# Altium PCB PCB2.PcbDoc (part 1 of 3) (continued)
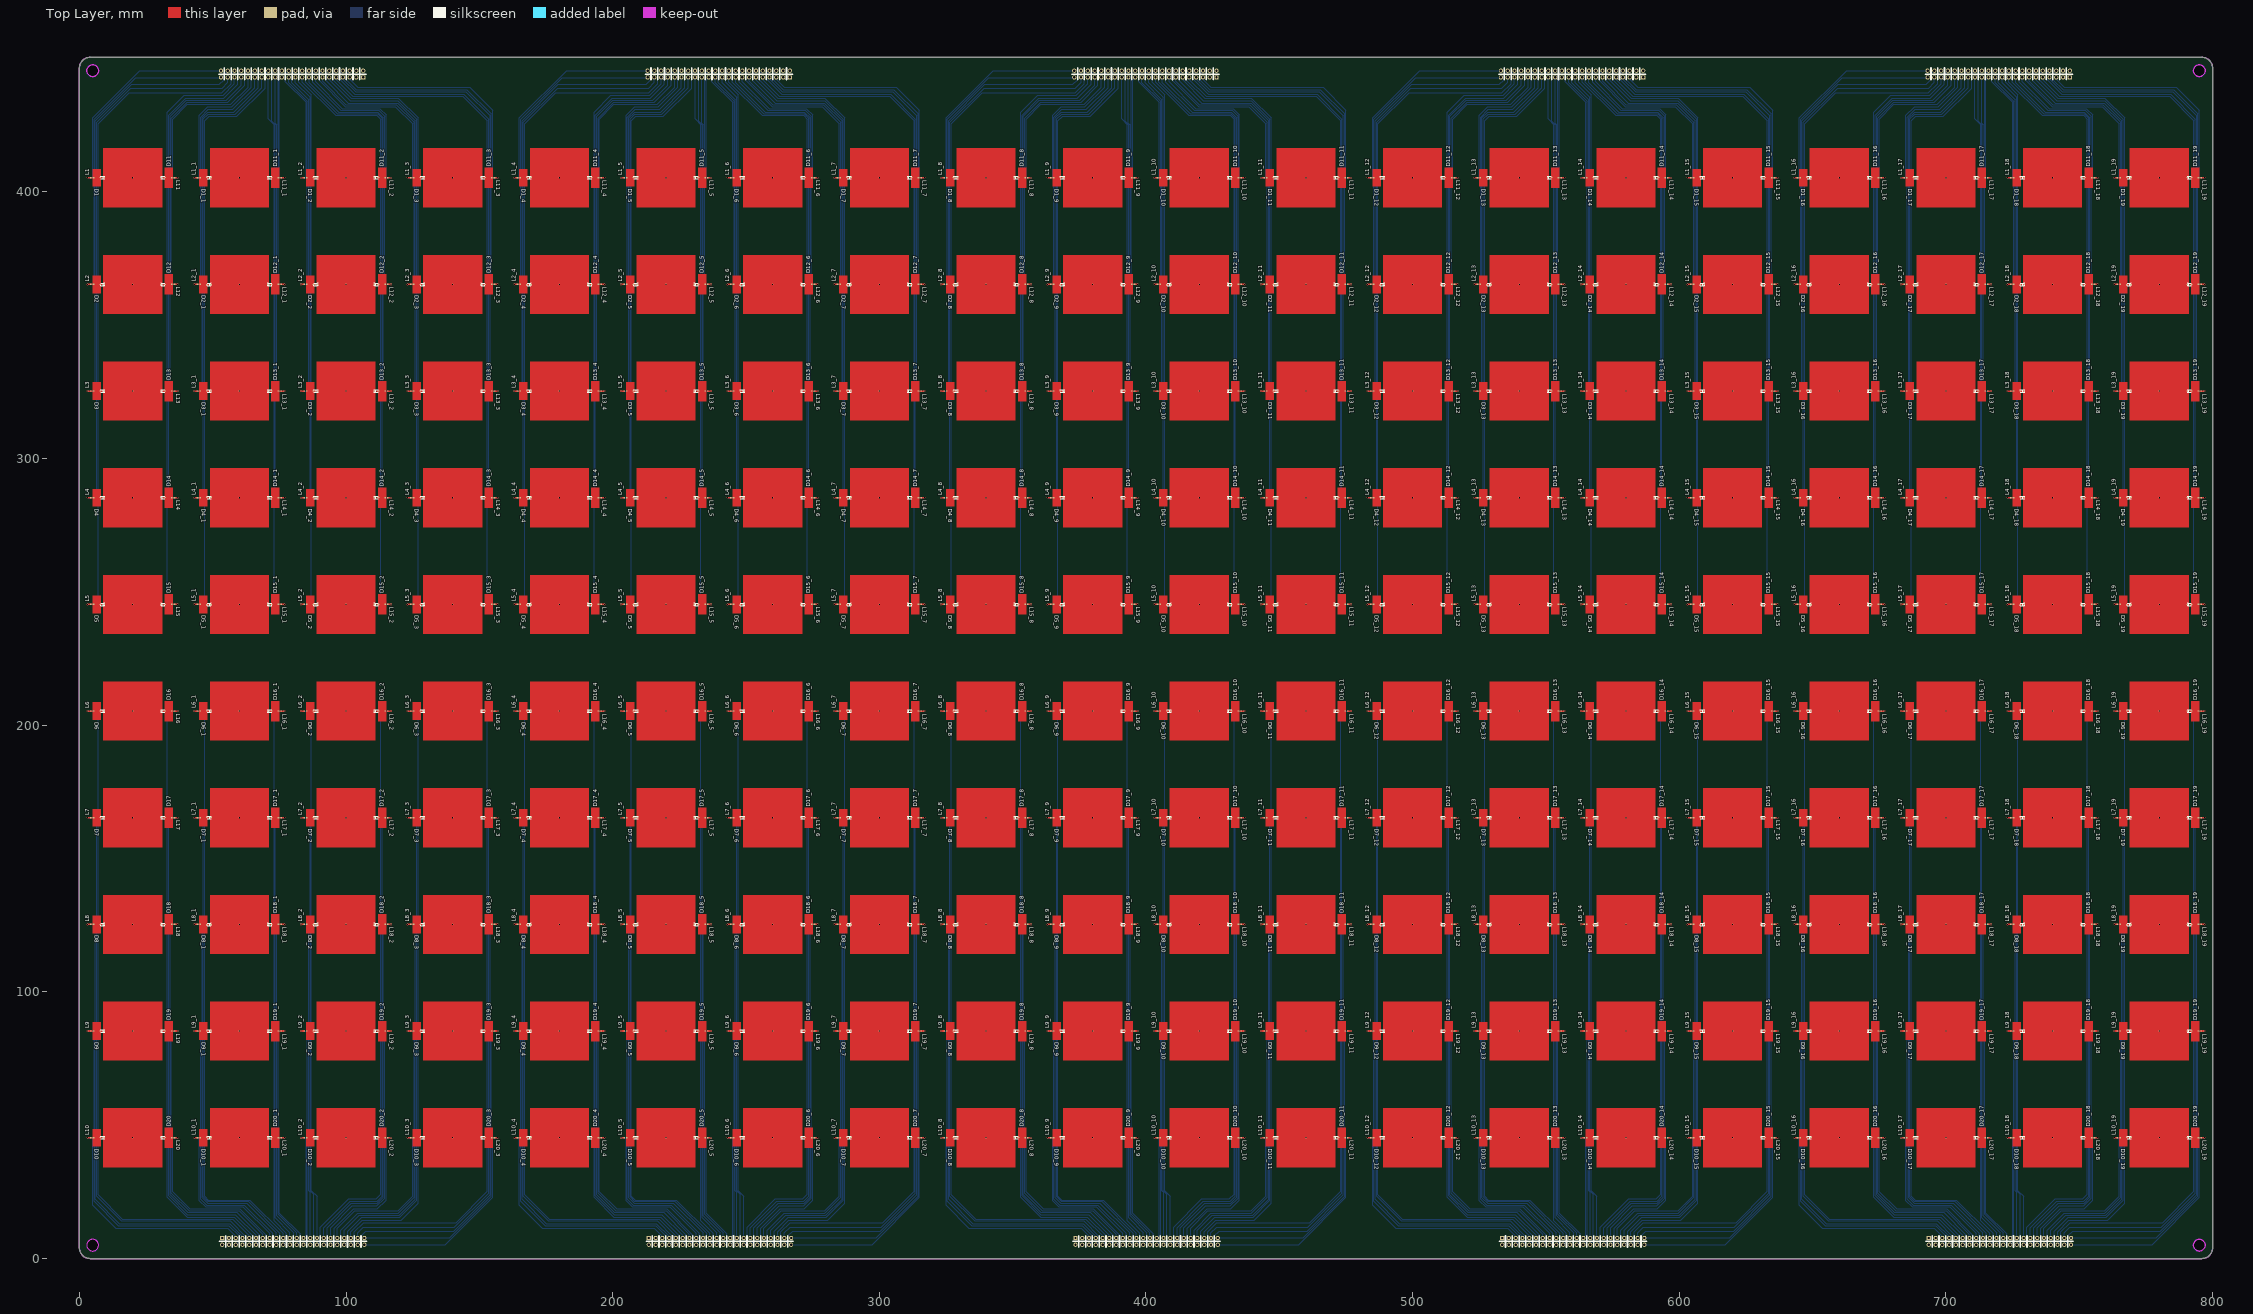
[diagram p0: Top Layer view]
## Components (designator, comment, footprint, x,y, rotation, side; value= is the part's Value field where it differs from the comment) (continued)
D10_9 "Comment" SC-79_L1.2-W0.8-LS1.6-RD 368.611,45.307 r180 top
D10_10 "Comment" SC-79_L1.2-W0.8-LS1.6-RD 408.611,45.307 r180 top
D10_11 "Comment" SC-79_L1.2-W0.8-LS1.6-RD 448.611,45.307 r180 top
D10_12 "Comment" SC-79_L1.2-W0.8-LS1.6-RD 488.611,45.307 r180 top
D10_13 "Comment" SC-79_L1.2-W0.8-LS1.6-RD 528.611,45.307 r180 top
D10_14 "Comment" SC-79_L1.2-W0.8-LS1.6-RD 568.611,45.307 r180 top
D10_15 "Comment" SC-79_L1.2-W0.8-LS1.6-RD 608.611,45.307 r180 top
D10_16 "Comment" SC-79_L1.2-W0.8-LS1.6-RD 648.611,45.307 r180 top
D10_17 "Comment" SC-79_L1.2-W0.8-LS1.6-RD 688.611,45.307 r180 top
D10_18 "Comment" SC-79_L1.2-W0.8-LS1.6-RD 728.611,45.307 r180 top
D10_19 "Comment" SC-79_L1.2-W0.8-LS1.6-RD 768.611,45.307 r180 top
D11 "Comment" SC-79_L1.2-W0.8-LS1.6-RD 31.389,405.308 r0 top
D11_1 "Comment" SC-79_L1.2-W0.8-LS1.6-RD 71.389,405.308 r0 top
D11_2 "Comment" SC-79_L1.2-W0.8-LS1.6-RD 111.389,405.308 r0 top
D11_3 "Comment" SC-79_L1.2-W0.8-LS1.6-RD 151.389,405.308 r0 top
D11_4 "Comment" SC-79_L1.2-W0.8-LS1.6-RD 191.389,405.308 r0 top
D11_5 "Comment" SC-79_L1.2-W0.8-LS1.6-RD 231.389,405.308 r0 top
D11_6 "Comment" SC-79_L1.2-W0.8-LS1.6-RD 271.389,405.308 r0 top
D11_7 "Comment" SC-79_L1.2-W0.8-LS1.6-RD 311.389,405.308 r0 top
D11_8 "Comment" SC-79_L1.2-W0.8-LS1.6-RD 351.389,405.308 r0 top
D11_9 "Comment" SC-79_L1.2-W0.8-LS1.6-RD 391.389,405.308 r0 top
D11_10 "Comment" SC-79_L1.2-W0.8-LS1.6-RD 431.389,405.308 r0 top
D11_11 "Comment" SC-79_L1.2-W0.8-LS1.6-RD 471.389,405.308 r0 top
D11_12 "Comment" SC-79_L1.2-W0.8-LS1.6-RD 511.389,405.308 r0 top
D11_13 "Comment" SC-79_L1.2-W0.8-LS1.6-RD 551.389,405.308 r0 top
D11_14 "Comment" SC-79_L1.2-W0.8-LS1.6-RD 591.389,405.308 r0 top
D11_15 "Comment" SC-79_L1.2-W0.8-LS1.6-RD 631.389,405.308 r0 top
D11_16 "Comment" SC-79_L1.2-W0.8-LS1.6-RD 671.389,405.308 r0 top
D11_17 "Comment" SC-79_L1.2-W0.8-LS1.6-RD 711.389,405.308 r0 top
D11_18 "Comment" SC-79_L1.2-W0.8-LS1.6-RD 751.389,405.308 r0 top
D11_19 "Comment" SC-79_L1.2-W0.8-LS1.6-RD 791.389,405.308 r0 top
D12 "Comment" SC-79_L1.2-W0.8-LS1.6-RD 31.389,365.308 r0 top
D12_1 "Comment" SC-79_L1.2-W0.8-LS1.6-RD 71.389,365.308 r0 top
D12_2 "Comment" SC-79_L1.2-W0.8-LS1.6-RD 111.389,365.308 r0 top
D12_3 "Comment" SC-79_L1.2-W0.8-LS1.6-RD 151.389,365.308 r0 top
D12_4 "Comment" SC-79_L1.2-W0.8-LS1.6-RD 191.389,365.308 r0 top
D12_5 "Comment" SC-79_L1.2-W0.8-LS1.6-RD 231.389,365.308 r0 top
D12_6 "Comment" SC-79_L1.2-W0.8-LS1.6-RD 271.389,365.308 r0 top
D12_7 "Comment" SC-79_L1.2-W0.8-LS1.6-RD 311.389,365.308 r0 top
D12_8 "Comment" SC-79_L1.2-W0.8-LS1.6-RD 351.389,365.308 r0 top
D12_9 "Comment" SC-79_L1.2-W0.8-LS1.6-RD 391.389,365.308 r0 top
D12_10 "Comment" SC-79_L1.2-W0.8-LS1.6-RD 431.389,365.308 r0 top
D12_11 "Comment" SC-79_L1.2-W0.8-LS1.6-RD 471.389,365.308 r0 top
D12_12 "Comment" SC-79_L1.2-W0.8-LS1.6-RD 511.389,365.308 r0 top
D12_13 "Comment" SC-79_L1.2-W0.8-LS1.6-RD 551.389,365.308 r0 top
D12_14 "Comment" SC-79_L1.2-W0.8-LS1.6-RD 591.389,365.308 r0 top
D12_15 "Comment" SC-79_L1.2-W0.8-LS1.6-RD 631.389,365.308 r0 top
D12_16 "Comment" SC-79_L1.2-W0.8-LS1.6-RD 671.389,365.308 r0 top
D12_17 "Comment" SC-79_L1.2-W0.8-LS1.6-RD 711.389,365.308 r0 top
D12_18 "Comment" SC-79_L1.2-W0.8-LS1.6-RD 751.389,365.308 r0 top
D12_19 "Comment" SC-79_L1.2-W0.8-LS1.6-RD 791.389,365.308 r0 top
D13 "Comment" SC-79_L1.2-W0.8-LS1.6-RD 31.389,325.308 r0 top
D13_1 "Comment" SC-79_L1.2-W0.8-LS1.6-RD 71.389,325.308 r0 top
D13_2 "Comment" SC-79_L1.2-W0.8-LS1.6-RD 111.389,325.308 r0 top
D13_3 "Comment" SC-79_L1.2-W0.8-LS1.6-RD 151.389,325.308 r0 top
D13_4 "Comment" SC-79_L1.2-W0.8-LS1.6-RD 191.389,325.308 r0 top
D13_5 "Comment" SC-79_L1.2-W0.8-LS1.6-RD 231.389,325.308 r0 top
D13_6 "Comment" SC-79_L1.2-W0.8-LS1.6-RD 271.389,325.308 r0 top
D13_7 "Comment" SC-79_L1.2-W0.8-LS1.6-RD 311.389,325.308 r0 top
D13_8 "Comment" SC-79_L1.2-W0.8-LS1.6-RD 351.389,325.308 r0 top
D13_9 "Comment" SC-79_L1.2-W0.8-LS1.6-RD 391.389,325.308 r0 top
D13_10 "Comment" SC-79_L1.2-W0.8-LS1.6-RD 431.389,325.308 r0 top
D13_11 "Comment" SC-79_L1.2-W0.8-LS1.6-RD 471.389,325.308 r0 top
D13_12 "Comment" SC-79_L1.2-W0.8-LS1.6-RD 511.389,325.308 r0 top
D13_13 "Comment" SC-79_L1.2-W0.8-LS1.6-RD 551.389,325.308 r0 top
D13_14 "Comment" SC-79_L1.2-W0.8-LS1.6-RD 591.389,325.308 r0 top
D13_15 "Comment" SC-79_L1.2-W0.8-LS1.6-RD 631.389,325.308 r0 top
D13_16 "Comment" SC-79_L1.2-W0.8-LS1.6-RD 671.389,325.308 r0 top
D13_17 "Comment" SC-79_L1.2-W0.8-LS1.6-RD 711.389,325.308 r0 top
D13_18 "Comment" SC-79_L1.2-W0.8-LS1.6-RD 751.389,325.308 r0 top
D13_19 "Comment" SC-79_L1.2-W0.8-LS1.6-RD 791.389,325.308 r0 top
D14 "Comment" SC-79_L1.2-W0.8-LS1.6-RD 31.389,285.308 r0 top
D14_1 "Comment" SC-79_L1.2-W0.8-LS1.6-RD 71.389,285.308 r0 top
D14_2 "Comment" SC-79_L1.2-W0.8-LS1.6-RD 111.389,285.308 r0 top
D14_3 "Comment" SC-79_L1.2-W0.8-LS1.6-RD 151.389,285.308 r0 top
D14_4 "Comment" SC-79_L1.2-W0.8-LS1.6-RD 191.389,285.308 r0 top
D14_5 "Comment" SC-79_L1.2-W0.8-LS1.6-RD 231.389,285.308 r0 top
D14_6 "Comment" SC-79_L1.2-W0.8-LS1.6-RD 271.389,285.308 r0 top
D14_7 "Comment" SC-79_L1.2-W0.8-LS1.6-RD 311.389,285.308 r0 top
D14_8 "Comment" SC-79_L1.2-W0.8-LS1.6-RD 351.389,285.308 r0 top
D14_9 "Comment" SC-79_L1.2-W0.8-LS1.6-RD 391.389,285.308 r0 top
D14_10 "Comment" SC-79_L1.2-W0.8-LS1.6-RD 431.389,285.308 r0 top
D14_11 "Comment" SC-79_L1.2-W0.8-LS1.6-RD 471.389,285.308 r0 top
D14_12 "Comment" SC-79_L1.2-W0.8-LS1.6-RD 511.389,285.308 r0 top
D14_13 "Comment" SC-79_L1.2-W0.8-LS1.6-RD 551.389,285.308 r0 top
D14_14 "Comment" SC-79_L1.2-W0.8-LS1.6-RD 591.389,285.308 r0 top
D14_15 "Comment" SC-79_L1.2-W0.8-LS1.6-RD 631.389,285.308 r0 top
D14_16 "Comment" SC-79_L1.2-W0.8-LS1.6-RD 671.389,285.308 r0 top
D14_17 "Comment" SC-79_L1.2-W0.8-LS1.6-RD 711.389,285.308 r0 top
D14_18 "Comment" SC-79_L1.2-W0.8-LS1.6-RD 751.389,285.308 r0 top
D14_19 "Comment" SC-79_L1.2-W0.8-LS1.6-RD 791.389,285.308 r0 top
D15 "Comment" SC-79_L1.2-W0.8-LS1.6-RD 31.389,245.308 r0 top
D15_1 "Comment" SC-79_L1.2-W0.8-LS1.6-RD 71.389,245.308 r0 top
D15_2 "Comment" SC-79_L1.2-W0.8-LS1.6-RD 111.389,245.308 r0 top
D15_3 "Comment" SC-79_L1.2-W0.8-LS1.6-RD 151.389,245.308 r0 top
D15_4 "Comment" SC-79_L1.2-W0.8-LS1.6-RD 191.389,245.308 r0 top
D15_5 "Comment" SC-79_L1.2-W0.8-LS1.6-RD 231.389,245.308 r0 top
D15_6 "Comment" SC-79_L1.2-W0.8-LS1.6-RD 271.389,245.308 r0 top
D15_7 "Comment" SC-79_L1.2-W0.8-LS1.6-RD 311.389,245.308 r0 top
D15_8 "Comment" SC-79_L1.2-W0.8-LS1.6-RD 351.389,245.308 r0 top
D15_9 "Comment" SC-79_L1.2-W0.8-LS1.6-RD 391.389,245.308 r0 top
D15_10 "Comment" SC-79_L1.2-W0.8-LS1.6-RD 431.389,245.308 r0 top
D15_11 "Comment" SC-79_L1.2-W0.8-LS1.6-RD 471.389,245.308 r0 top
D15_12 "Comment" SC-79_L1.2-W0.8-LS1.6-RD 511.389,245.308 r0 top
D15_13 "Comment" SC-79_L1.2-W0.8-LS1.6-RD 551.389,245.308 r0 top
D15_14 "Comment" SC-79_L1.2-W0.8-LS1.6-RD 591.389,245.308 r0 top
D15_15 "Comment" SC-79_L1.2-W0.8-LS1.6-RD 631.389,245.308 r0 top
D15_16 "Comment" SC-79_L1.2-W0.8-LS1.6-RD 671.389,245.308 r0 top
D15_17 "Comment" SC-79_L1.2-W0.8-LS1.6-RD 711.389,245.308 r0 top
D15_18 "Comment" SC-79_L1.2-W0.8-LS1.6-RD 751.389,245.308 r0 top
D15_19 "Comment" SC-79_L1.2-W0.8-LS1.6-RD 791.389,245.308 r0 top
D16 "Comment" SC-79_L1.2-W0.8-LS1.6-RD 31.389,205.308 r0 top
D16_1 "Comment" SC-79_L1.2-W0.8-LS1.6-RD 71.389,205.308 r0 top
D16_2 "Comment" SC-79_L1.2-W0.8-LS1.6-RD 111.389,205.308 r0 top
D16_3 "Comment" SC-79_L1.2-W0.8-LS1.6-RD 151.389,205.308 r0 top
D16_4 "Comment" SC-79_L1.2-W0.8-LS1.6-RD 191.389,205.308 r0 top
D16_5 "Comment" SC-79_L1.2-W0.8-LS1.6-RD 231.389,205.308 r0 top
D16_6 "Comment" SC-79_L1.2-W0.8-LS1.6-RD 271.389,205.308 r0 top
D16_7 "Comment" SC-79_L1.2-W0.8-LS1.6-RD 311.389,205.308 r0 top
D16_8 "Comment" SC-79_L1.2-W0.8-LS1.6-RD 351.389,205.308 r0 top
D16_9 "Comment" SC-79_L1.2-W0.8-LS1.6-RD 391.389,205.308 r0 top
D16_10 "Comment" SC-79_L1.2-W0.8-LS1.6-RD 431.389,205.308 r0 top
D16_11 "Comment" SC-79_L1.2-W0.8-LS1.6-RD 471.389,205.308 r0 top
D16_12 "Comment" SC-79_L1.2-W0.8-LS1.6-RD 511.389,205.308 r0 top
D16_13 "Comment" SC-79_L1.2-W0.8-LS1.6-RD 551.389,205.308 r0 top
D16_14 "Comment" SC-79_L1.2-W0.8-LS1.6-RD 591.389,205.308 r0 top
D16_15 "Comment" SC-79_L1.2-W0.8-LS1.6-RD 631.389,205.308 r0 top
D16_16 "Comment" SC-79_L1.2-W0.8-LS1.6-RD 671.389,205.308 r0 top
D16_17 "Comment" SC-79_L1.2-W0.8-LS1.6-RD 711.389,205.308 r0 top
D16_18 "Comment" SC-79_L1.2-W0.8-LS1.6-RD 751.389,205.308 r0 top
D16_19 "Comment" SC-79_L1.2-W0.8-LS1.6-RD 791.389,205.308 r0 top
D17 "Comment" SC-79_L1.2-W0.8-LS1.6-RD 31.389,165.308 r0 top
D17_1 "Comment" SC-79_L1.2-W0.8-LS1.6-RD 71.389,165.308 r0 top
D17_2 "Comment" SC-79_L1.2-W0.8-LS1.6-RD 111.389,165.308 r0 top
D17_3 "Comment" SC-79_L1.2-W0.8-LS1.6-RD 151.389,165.308 r0 top
D17_4 "Comment" SC-79_L1.2-W0.8-LS1.6-RD 191.389,165.308 r0 top
D17_5 "Comment" SC-79_L1.2-W0.8-LS1.6-RD 231.389,165.308 r0 top
D17_6 "Comment" SC-79_L1.2-W0.8-LS1.6-RD 271.389,165.308 r0 top
D17_7 "Comment" SC-79_L1.2-W0.8-LS1.6-RD 311.389,165.308 r0 top
D17_8 "Comment" SC-79_L1.2-W0.8-LS1.6-RD 351.389,165.308 r0 top
D17_9 "Comment" SC-79_L1.2-W0.8-LS1.6-RD 391.389,165.308 r0 top
D17_10 "Comment" SC-79_L1.2-W0.8-LS1.6-RD 431.389,165.308 r0 top
D17_11 "Comment" SC-79_L1.2-W0.8-LS1.6-RD 471.389,165.308 r0 top
D17_12 "Comment" SC-79_L1.2-W0.8-LS1.6-RD 511.389,165.308 r0 top
D17_13 "Comment" SC-79_L1.2-W0.8-LS1.6-RD 551.389,165.308 r0 top
D17_14 "Comment" SC-79_L1.2-W0.8-LS1.6-RD 591.389,165.308 r0 top
D17_15 "Comment" SC-79_L1.2-W0.8-LS1.6-RD 631.389,165.308 r0 top
D17_16 "Comment" SC-79_L1.2-W0.8-LS1.6-RD 671.389,165.308 r0 top
D17_17 "Comment" SC-79_L1.2-W0.8-LS1.6-RD 711.389,165.308 r0 top
D17_18 "Comment" SC-79_L1.2-W0.8-LS1.6-RD 751.389,165.308 r0 top
D17_19 "Comment" SC-79_L1.2-W0.8-LS1.6-RD 791.389,165.308 r0 top
D18 "Comment" SC-79_L1.2-W0.8-LS1.6-RD 31.389,125.308 r0 top
D18_1 "Comment" SC-79_L1.2-W0.8-LS1.6-RD 71.389,125.308 r0 top
D18_2 "Comment" SC-79_L1.2-W0.8-LS1.6-RD 111.389,125.308 r0 top
D18_3 "Comment" SC-79_L1.2-W0.8-LS1.6-RD 151.389,125.308 r0 top
D18_4 "Comment" SC-79_L1.2-W0.8-LS1.6-RD 191.389,125.308 r0 top
D18_5 "Comment" SC-79_L1.2-W0.8-LS1.6-RD 231.389,125.308 r0 top
D18_6 "Comment" SC-79_L1.2-W0.8-LS1.6-RD 271.389,125.308 r0 top
D18_7 "Comment" SC-79_L1.2-W0.8-LS1.6-RD 311.389,125.308 r0 top
D18_8 "Comment" SC-79_L1.2-W0.8-LS1.6-RD 351.389,125.308 r0 top
D18_9 "Comment" SC-79_L1.2-W0.8-LS1.6-RD 391.389,125.308 r0 top
D18_10 "Comment" SC-79_L1.2-W0.8-LS1.6-RD 431.389,125.308 r0 top
D18_11 "Comment" SC-79_L1.2-W0.8-LS1.6-RD 471.389,125.308 r0 top
D18_12 "Comment" SC-79_L1.2-W0.8-LS1.6-RD 511.389,125.308 r0 top
D18_13 "Comment" SC-79_L1.2-W0.8-LS1.6-RD 551.389,125.308 r0 top
D18_14 "Comment" SC-79_L1.2-W0.8-LS1.6-RD 591.389,125.308 r0 top
D18_15 "Comment" SC-79_L1.2-W0.8-LS1.6-RD 631.389,125.308 r0 top
D18_16 "Comment" SC-79_L1.2-W0.8-LS1.6-RD 671.389,125.308 r0 top
D18_17 "Comment" SC-79_L1.2-W0.8-LS1.6-RD 711.389,125.308 r0 top
D18_18 "Comment" SC-79_L1.2-W0.8-LS1.6-RD 751.389,125.308 r0 top
D18_19 "Comment" SC-79_L1.2-W0.8-LS1.6-RD 791.389,125.308 r0 top
D19 "Comment" SC-79_L1.2-W0.8-LS1.6-RD 31.389,85.308 r0 top
D19_1 "Comment" SC-79_L1.2-W0.8-LS1.6-RD 71.389,85.308 r0 top
D19_2 "Comment" SC-79_L1.2-W0.8-LS1.6-RD 111.389,85.308 r0 top
D19_3 "Comment" SC-79_L1.2-W0.8-LS1.6-RD 151.389,85.308 r0 top
D19_4 "Comment" SC-79_L1.2-W0.8-LS1.6-RD 191.389,85.308 r0 top
D19_5 "Comment" SC-79_L1.2-W0.8-LS1.6-RD 231.389,85.308 r0 top
D19_6 "Comment" SC-79_L1.2-W0.8-LS1.6-RD 271.389,85.308 r0 top
D19_7 "Comment" SC-79_L1.2-W0.8-LS1.6-RD 311.389,85.308 r0 top
D19_8 "Comment" SC-79_L1.2-W0.8-LS1.6-RD 351.389,85.308 r0 top
D19_9 "Comment" SC-79_L1.2-W0.8-LS1.6-RD 391.389,85.308 r0 top
D19_10 "Comment" SC-79_L1.2-W0.8-LS1.6-RD 431.389,85.308 r0 top
D19_11 "Comment" SC-79_L1.2-W0.8-LS1.6-RD 471.389,85.308 r0 top
D19_12 "Comment" SC-79_L1.2-W0.8-LS1.6-RD 511.389,85.308 r0 top
D19_13 "Comment" SC-79_L1.2-W0.8-LS1.6-RD 551.389,85.308 r0 top
D19_14 "Comment" SC-79_L1.2-W0.8-LS1.6-RD 591.389,85.308 r0 top
D19_15 "Comment" SC-79_L1.2-W0.8-LS1.6-RD 631.389,85.308 r0 top
D19_16 "Comment" SC-79_L1.2-W0.8-LS1.6-RD 671.389,85.308 r0 top
D19_17 "Comment" SC-79_L1.2-W0.8-LS1.6-RD 711.389,85.308 r0 top
D19_18 "Comment" SC-79_L1.2-W0.8-LS1.6-RD 751.389,85.308 r0 top
D19_19 "Comment" SC-79_L1.2-W0.8-LS1.6-RD 791.389,85.308 r0 top
D20 "Comment" SC-79_L1.2-W0.8-LS1.6-RD 31.389,45.308 r0 top
D20_1 "Comment" SC-79_L1.2-W0.8-LS1.6-RD 71.389,45.308 r0 top
D20_2 "Comment" SC-79_L1.2-W0.8-LS1.6-RD 111.389,45.308 r0 top
D20_3 "Comment" SC-79_L1.2-W0.8-LS1.6-RD 151.389,45.308 r0 top
D20_4 "Comment" SC-79_L1.2-W0.8-LS1.6-RD 191.389,45.308 r0 top
D20_5 "Comment" SC-79_L1.2-W0.8-LS1.6-RD 231.389,45.308 r0 top
D20_6 "Comment" SC-79_L1.2-W0.8-LS1.6-RD 271.389,45.308 r0 top
D20_7 "Comment" SC-79_L1.2-W0.8-LS1.6-RD 311.389,45.308 r0 top
D20_8 "Comment" SC-79_L1.2-W0.8-LS1.6-RD 351.389,45.308 r0 top
D20_9 "Comment" SC-79_L1.2-W0.8-LS1.6-RD 391.389,45.308 r0 top
D20_10 "Comment" SC-79_L1.2-W0.8-LS1.6-RD 431.389,45.308 r0 top
D20_11 "Comment" SC-79_L1.2-W0.8-LS1.6-RD 471.389,45.308 r0 top
D20_12 "Comment" SC-79_L1.2-W0.8-LS1.6-RD 511.389,45.308 r0 top
D20_13 "Comment" SC-79_L1.2-W0.8-LS1.6-RD 551.389,45.308 r0 top
D20_14 "Comment" SC-79_L1.2-W0.8-LS1.6-RD 591.389,45.308 r0 top
D20_15 "Comment" SC-79_L1.2-W0.8-LS1.6-RD 631.389,45.308 r0 top
D20_16 "Comment" SC-79_L1.2-W0.8-LS1.6-RD 671.389,45.308 r0 top
D20_17 "Comment" SC-79_L1.2-W0.8-LS1.6-RD 711.389,45.308 r0 top
D20_18 "Comment" SC-79_L1.2-W0.8-LS1.6-RD 751.389,45.308 r0 top
D20_19 "Comment" SC-79_L1.2-W0.8-LS1.6-RD 791.389,45.308 r0 top
H1 "Comment" IDC2.54-LI-2x22P 106.44,442.908 r180 bottom
H2 "Comment" IDC2.54-LI-2x22P 266.44,442.908 r180 bottom
H3 "Comment" IDC2.54-LI-2x22P 426.44,442.908 r180 bottom
H4 "Comment" IDC2.54-LI-2x22P 586.44,442.908 r180 bottom
H5 "Comment" IDC2.54-LI-2x22P 746.44,442.908 r180 bottom
H6 "Comment" IDC2.54-LI-2x22P 693.56,7.708 r0 bottom
H7 "Comment" IDC2.54-LI-2x22P 533.56,7.708 r0 bottom
H8 "Comment" IDC2.54-LI-2x22P 373.56,7.708 r0 bottom
H9 "Comment" IDC2.54-LI-2x22P 213.56,7.708 r0 bottom
H10 "Comment" IDC2.54-LI-2x22P 53.56,7.708 r0 bottom
L1 "Comment" 0402 4.801,405.307 r0 top
L1_1 "Comment" 0402 44.801,405.307 r0 top
L1_2 "Comment" 0402 84.801,405.307 r0 top
L1_3 "Comment" 0402 124.801,405.307 r0 top
L1_4 "Comment" 0402 164.801,405.307 r0 top
L1_5 "Comment" 0402 204.801,405.307 r0 top
L1_6 "Comment" 0402 244.801,405.307 r0 top
L1_7 "Comment" 0402 284.801,405.307 r0 top
L1_8 "Comment" 0402 324.801,405.307 r0 top
L1_9 "Comment" 0402 364.801,405.307 r0 top
L1_10 "Comment" 0402 404.801,405.307 r0 top
L1_11 "Comment" 0402 444.801,405.307 r0 top
L1_12 "Comment" 0402 484.801,405.307 r0 top
L1_13 "Comment" 0402 524.801,405.307 r0 top
L1_14 "Comment" 0402 564.801,405.307 r0 top
L1_15 "Comment" 0402 604.801,405.307 r0 top
L1_16 "Comment" 0402 644.801,405.307 r0 top
L1_17 "Comment" 0402 684.801,405.307 r0 top
L1_18 "Comment" 0402 724.801,405.307 r0 top
L1_19 "Comment" 0402 764.801,405.307 r0 top
L2 "Comment" 0402 4.801,365.307 r0 top
L2_1 "Comment" 0402 44.801,365.307 r0 top
L2_2 "Comment" 0402 84.801,365.307 r0 top
L2_3 "Comment" 0402 124.801,365.307 r0 top
L2_4 "Comment" 0402 164.801,365.307 r0 top
L2_5 "Comment" 0402 204.801,365.307 r0 top
L2_6 "Comment" 0402 244.801,365.307 r0 top
L2_7 "Comment" 0402 284.801,365.307 r0 top
L2_8 "Comment" 0402 324.801,365.307 r0 top
L2_9 "Comment" 0402 364.801,365.307 r0 top
L2_10 "Comment" 0402 404.801,365.307 r0 top
L2_11 "Comment" 0402 444.801,365.307 r0 top
L2_12 "Comment" 0402 484.801,365.307 r0 top
L2_13 "Comment" 0402 524.801,365.307 r0 top
L2_14 "Comment" 0402 564.801,365.307 r0 top
L2_15 "Comment" 0402 604.801,365.307 r0 top
L2_16 "Comment" 0402 644.801,365.307 r0 top
L2_17 "Comment" 0402 684.801,365.307 r0 top
L2_18 "Comment" 0402 724.801,365.307 r0 top
L2_19 "Comment" 0402 764.801,365.307 r0 top
L3 "Comment" 0402 4.801,325.307 r0 top
L3_1 "Comment" 0402 44.801,325.307 r0 top
L3_2 "Comment" 0402 84.801,325.307 r0 top
L3_3 "Comment" 0402 124.801,325.307 r0 top
L3_4 "Comment" 0402 164.801,325.307 r0 top
L3_5 "Comment" 0402 204.801,325.307 r0 top
L3_6 "Comment" 0402 244.801,325.307 r0 top
L3_7 "Comment" 0402 284.801,325.307 r0 top
L3_8 "Comment" 0402 324.801,325.307 r0 top
L3_9 "Comment" 0402 364.801,325.307 r0 top
L3_10 "Comment" 0402 404.801,325.307 r0 top
L3_11 "Comment" 0402 444.801,325.307 r0 top
L3_12 "Comment" 0402 484.801,325.307 r0 top
L3_13 "Comment" 0402 524.801,325.307 r0 top
L3_14 "Comment" 0402 564.801,325.307 r0 top
L3_15 "Comment" 0402 604.801,325.307 r0 top
L3_16 "Comment" 0402 644.801,325.307 r0 top
L3_17 "Comment" 0402 684.801,325.307 r0 top
L3_18 "Comment" 0402 724.801,325.307 r0 top
L3_19 "Comment" 0402 764.801,325.307 r0 top
L4 "Comment" 0402 4.801,285.307 r0 top
L4_1 "Comment" 0402 44.801,285.307 r0 top
L4_2 "Comment" 0402 84.801,285.307 r0 top
L4_3 "Comment" 0402 124.801,285.307 r0 top
L4_4 "Comment" 0402 164.801,285.307 r0 top
L4_5 "Comment" 0402 204.801,285.307 r0 top
L4_6 "Comment" 0402 244.801,285.307 r0 top
L4_7 "Comment" 0402 284.801,285.307 r0 top
L4_8 "Comment" 0402 324.801,285.307 r0 top
L4_9 "Comment" 0402 364.801,285.307 r0 top
L4_10 "Comment" 0402 404.801,285.307 r0 top
L4_11 "Comment" 0402 444.801,285.307 r0 top
L4_12 "Comment" 0402 484.801,285.307 r0 top
L4_13 "Comment" 0402 524.801,285.307 r0 top
L4_14 "Comment" 0402 564.801,285.307 r0 top
L4_15 "Comment" 0402 604.801,285.307 r0 top
L4_16 "Comment" 0402 644.801,285.307 r0 top
L4_17 "Comment" 0402 684.801,285.307 r0 top
L4_18 "Comment" 0402 724.801,285.307 r0 top
L4_19 "Comment" 0402 764.801,285.307 r0 top
L5 "Comment" 0402 4.801,245.307 r0 top
L5_1 "Comment" 0402 44.801,245.307 r0 top
L5_2 "Comment" 0402 84.801,245.307 r0 top
L5_3 "Comment" 0402 124.801,245.307 r0 top
L5_4 "Comment" 0402 164.801,245.307 r0 top
L5_5 "Comment" 0402 204.801,245.307 r0 top
L5_6 "Comment" 0402 244.801,245.307 r0 top
L5_7 "Comment" 0402 284.801,245.307 r0 top
L5_8 "Comment" 0402 324.801,245.307 r0 top
L5_9 "Comment" 0402 364.801,245.307 r0 top
L5_10 "Comment" 0402 404.801,245.307 r0 top
L5_11 "Comment" 0402 444.801,245.307 r0 top
L5_12 "Comment" 0402 484.801,245.307 r0 top
L5_13 "Comment" 0402 524.801,245.307 r0 top
L5_14 "Comment" 0402 564.801,245.307 r0 top
L5_15 "Comment" 0402 604.801,245.307 r0 top
L5_16 "Comment" 0402 644.801,245.307 r0 top
L5_17 "Comment" 0402 684.801,245.307 r0 top
L5_18 "Comment" 0402 724.801,245.307 r0 top
L5_19 "Comment" 0402 764.801,245.307 r0 top
L6 "Comment" 0402 4.801,205.307 r0 top
L6_1 "Comment" 0402 44.801,205.307 r0 top
L6_2 "Comment" 0402 84.801,205.307 r0 top
L6_3 "Comment" 0402 124.801,205.307 r0 top
L6_4 "Comment" 0402 164.801,205.307 r0 top
L6_5 "Comment" 0402 204.801,205.307 r0 top
L6_6 "Comment" 0402 244.801,205.307 r0 top
L6_7 "Comment" 0402 284.801,205.307 r0 top
L6_8 "Comment" 0402 324.801,205.307 r0 top
L6_9 "Comment" 0402 364.801,205.307 r0 top
L6_10 "Comment" 0402 404.801,205.307 r0 top
L6_11 "Comment" 0402 444.801,205.307 r0 top
L6_12 "Comment" 0402 484.801,205.307 r0 top
L6_13 "Comment" 0402 524.801,205.307 r0 top
L6_14 "Comment" 0402 564.801,205.307 r0 top
L6_15 "Comment" 0402 604.801,205.307 r0 top
L6_16 "Comment" 0402 644.801,205.307 r0 top
L6_17 "Comment" 0402 684.801,205.307 r0 top
L6_18 "Comment" 0402 724.801,205.307 r0 top
L6_19 "Comment" 0402 764.801,205.307 r0 top
L7 "Comment" 0402 4.801,165.307 r0 top
L7_1 "Comment" 0402 44.801,165.307 r0 top
L7_2 "Comment" 0402 84.801,165.307 r0 top
L7_3 "Comment" 0402 124.801,165.307 r0 top
L7_4 "Comment" 0402 164.801,165.307 r0 top
L7_5 "Comment" 0402 204.801,165.307 r0 top
L7_6 "Comment" 0402 244.801,165.307 r0 top
L7_7 "Comment" 0402 284.801,165.307 r0 top
L7_8 "Comment" 0402 324.801,165.307 r0 top
L7_9 "Comment" 0402 364.801,165.307 r0 top
L7_10 "Comment" 0402 404.801,165.307 r0 top
L7_11 "Comment" 0402 444.801,165.307 r0 top
L7_12 "Comment" 0402 484.801,165.307 r0 top
L7_13 "Comment" 0402 524.801,165.307 r0 top
L7_14 "Comment" 0402 564.801,165.307 r0 top
L7_15 "Comment" 0402 604.801,165.307 r0 top
L7_16 "Comment" 0402 644.801,165.307 r0 top
L7_17 "Comment" 0402 684.801,165.307 r0 top
L7_18 "Comment" 0402 724.801,165.307 r0 top
L7_19 "Comment" 0402 764.801,165.307 r0 top
L8 "Comment" 0402 4.801,125.307 r0 top
L8_1 "Comment" 0402 44.801,125.307 r0 top
L8_2 "Comment" 0402 84.801,125.307 r0 top
L8_3 "Comment" 0402 124.801,125.307 r0 top
L8_4 "Comment" 0402 164.801,125.307 r0 top
L8_5 "Comment" 0402 204.801,125.307 r0 top
L8_6 "Comment" 0402 244.801,125.307 r0 top
L8_7 "Comment" 0402 284.801,125.307 r0 top
L8_8 "Comment" 0402 324.801,125.307 r0 top
L8_9 "Comment" 0402 364.801,125.307 r0 top
L8_10 "Comment" 0402 404.801,125.307 r0 top
L8_11 "Comment" 0402 444.801,125.307 r0 top
L8_12 "Comment" 0402 484.801,125.307 r0 top
L8_13 "Comment" 0402 524.801,125.307 r0 top
L8_14 "Comment" 0402 564.801,125.307 r0 top
L8_15 "Comment" 0402 604.801,125.307 r0 top
L8_16 "Comment" 0402 644.801,125.307 r0 top
L8_17 "Comment" 0402 684.801,125.307 r0 top
L8_18 "Comment" 0402 724.801,125.307 r0 top
L8_19 "Comment" 0402 764.801,125.307 r0 top
L9 "Comment" 0402 4.801,85.307 r0 top
L9_1 "Comment" 0402 44.801,85.307 r0 top
L9_2 "Comment" 0402 84.801,85.307 r0 top
L9_3 "Comment" 0402 124.801,85.307 r0 top
L9_4 "Comment" 0402 164.801,85.307 r0 top
L9_5 "Comment" 0402 204.801,85.307 r0 top
L9_6 "Comment" 0402 244.801,85.307 r0 top
L9_7 "Comment" 0402 284.801,85.307 r0 top
L9_8 "Comment" 0402 324.801,85.307 r0 top
L9_9 "Comment" 0402 364.801,85.307 r0 top
L9_10 "Comment" 0402 404.801,85.307 r0 top
L9_11 "Comment" 0402 444.801,85.307 r0 top
L9_12 "Comment" 0402 484.801,85.307 r0 top
L9_13 "Comment" 0402 524.801,85.307 r0 top
L9_14 "Comment" 0402 564.801,85.307 r0 top
L9_15 "Comment" 0402 604.801,85.307 r0 top
L9_16 "Comment" 0402 644.801,85.307 r0 top
L9_17 "Comment" 0402 684.801,85.307 r0 top
L9_18 "Comment" 0402 724.801,85.307 r0 top
L9_19 "Comment" 0402 764.801,85.307 r0 top
L10 "Comment" 0402 4.801,45.307 r0 top
L10_1 "Comment" 0402 44.801,45.307 r0 top
L10_2 "Comment" 0402 84.801,45.307 r0 top
L10_3 "Comment" 0402 124.801,45.307 r0 top
L10_4 "Comment" 0402 164.801,45.307 r0 top
L10_5 "Comment" 0402 204.801,45.307 r0 top
L10_6 "Comment" 0402 244.801,45.307 r0 top
L10_7 "Comment" 0402 284.801,45.307 r0 top
L10_8 "Comment" 0402 324.801,45.307 r0 top
L10_9 "Comment" 0402 364.801,45.307 r0 top
L10_10 "Comment" 0402 404.801,45.307 r0 top
L10_11 "Comment" 0402 444.801,45.307 r0 top
L10_12 "Comment" 0402 484.801,45.307 r0 top
L10_13 "Comment" 0402 524.801,45.307 r0 top
L10_14 "Comment" 0402 564.801,45.307 r0 top
L10_15 "Comment" 0402 604.801,45.307 r0 top
L10_16 "Comment" 0402 644.801,45.307 r0 top
L10_17 "Comment" 0402 684.801,45.307 r0 top
L10_18 "Comment" 0402 724.801,45.307 r0 top
L10_19 "Comment" 0402 764.801,45.307 r0 top
L11 "Comment" 0402 35.199,405.308 r180 top
L11_1 "Comment" 0402 75.199,405.308 r180 top
L11_2 "Comment" 0402 115.199,405.308 r180 top
L11_3 "Comment" 0402 155.199,405.308 r180 top
L11_4 "Comment" 0402 195.199,405.308 r180 top
L11_5 "Comment" 0402 235.199,405.308 r180 top
L11_6 "Comment" 0402 275.199,405.308 r180 top
L11_7 "Comment" 0402 315.199,405.308 r180 top
L11_8 "Comment" 0402 355.199,405.308 r180 top
L11_9 "Comment" 0402 395.199,405.308 r180 top
L11_10 "Comment" 0402 435.199,405.308 r180 top
L11_11 "Comment" 0402 475.199,405.308 r180 top
L11_12 "Comment" 0402 515.199,405.308 r180 top
L11_13 "Comment" 0402 555.199,405.308 r180 top
L11_14 "Comment" 0402 595.199,405.308 r180 top
L11_15 "Comment" 0402 635.199,405.308 r180 top
L11_16 "Comment" 0402 675.199,405.308 r180 top
L11_17 "Comment" 0402 715.199,405.308 r180 top
L11_18 "Comment" 0402 755.199,405.308 r180 top
L11_19 "Comment" 0402 795.199,405.308 r180 top
L12 "Comment" 0402 35.199,365.308 r180 top
L12_1 "Comment" 0402 75.199,365.308 r180 top
L12_2 "Comment" 0402 115.199,365.308 r180 top
L12_3 "Comment" 0402 155.199,365.308 r180 top
L12_4 "Comment" 0402 195.199,365.308 r180 top
L12_5 "Comment" 0402 235.199,365.308 r180 top
L12_6 "Comment" 0402 275.199,365.308 r180 top
L12_7 "Comment" 0402 315.199,365.308 r180 top
L12_8 "Comment" 0402 355.199,365.308 r180 top
L12_9 "Comment" 0402 395.199,365.308 r180 top
L12_10 "Comment" 0402 435.199,365.308 r180 top
L12_11 "Comment" 0402 475.199,365.308 r180 top
L12_12 "Comment" 0402 515.199,365.308 r180 top
L12_13 "Comment" 0402 555.199,365.308 r180 top
L12_14 "Comment" 0402 595.199,365.308 r180 top
L12_15 "Comment" 0402 635.199,365.308 r180 top
L12_16 "Comment" 0402 675.199,365.308 r180 top
L12_17 "Comment" 0402 715.199,365.308 r180 top
L12_18 "Comment" 0402 755.199,365.308 r180 top
L12_19 "Comment" 0402 795.199,365.308 r180 top
L13 "Comment" 0402 35.199,325.308 r180 top
L13_1 "Comment" 0402 75.199,325.308 r180 top
L13_2 "Comment" 0402 115.199,325.308 r180 top
L13_3 "Comment" 0402 155.199,325.308 r180 top
L13_4 "Comment" 0402 195.199,325.308 r180 top
L13_5 "Comment" 0402 235.199,325.308 r180 top
L13_6 "Comment" 0402 275.199,325.308 r180 top
L13_7 "Comment" 0402 315.199,325.308 r180 top
L13_8 "Comment" 0402 355.199,325.308 r180 top
L13_9 "Comment" 0402 395.199,325.308 r180 top
L13_10 "Comment" 0402 435.199,325.308 r180 top
L13_11 "Comment" 0402 475.199,325.308 r180 top
L13_12 "Comment" 0402 515.199,325.308 r180 top
L13_13 "Comment" 0402 555.199,325.308 r180 top
L13_14 "Comment" 0402 595.199,325.308 r180 top
L13_15 "Comment" 0402 635.199,325.308 r180 top
L13_16 "Comment" 0402 675.199,325.308 r180 top
L13_17 "Comment" 0402 715.199,325.308 r180 top
L13_18 "Comment" 0402 755.199,325.308 r180 top
L13_19 "Comment" 0402 795.199,325.308 r180 top
L14 "Comment" 0402 35.199,285.308 r180 top
L14_1 "Comment" 0402 75.199,285.308 r180 top
L14_2 "Comment" 0402 115.199,285.308 r180 top
L14_3 "Comment" 0402 155.199,285.308 r180 top
L14_4 "Comment" 0402 195.199,285.308 r180 top
L14_5 "Comment" 0402 235.199,285.308 r180 top
L14_6 "Comment" 0402 275.199,285.308 r180 top
L14_7 "Comment" 0402 315.199,285.308 r180 top
L14_8 "Comment" 0402 355.199,285.308 r180 top
L14_9 "Comment" 0402 395.199,285.308 r180 top
L14_10 "Comment" 0402 435.199,285.308 r180 top
L14_11 "Comment" 0402 475.199,285.308 r180 top
L14_12 "Comment" 0402 515.199,285.308 r180 top
L14_13 "Comment" 0402 555.199,285.308 r180 top
L14_14 "Comment" 0402 595.199,285.308 r180 top
L14_15 "Comment" 0402 635.199,285.308 r180 top
L14_16 "Comment" 0402 675.199,285.308 r180 top
L14_17 "Comment" 0402 715.199,285.308 r180 top
L14_18 "Comment" 0402 755.199,285.308 r180 top
L14_19 "Comment" 0402 795.199,285.308 r180 top
L15 "Comment" 0402 35.199,245.308 r180 top
L15_1 "Comment" 0402 75.199,245.308 r180 top
L15_2 "Comment" 0402 115.199,245.308 r180 top
L15_3 "Comment" 0402 155.199,245.308 r180 top
L15_4 "Comment" 0402 195.199,245.308 r180 top
L15_5 "Comment" 0402 235.199,245.308 r180 top
L15_6 "Comment" 0402 275.199,245.308 r180 top
L15_7 "Comment" 0402 315.199,245.308 r180 top
L15_8 "Comment" 0402 355.199,245.308 r180 top
L15_9 "Comment" 0402 395.199,245.308 r180 top
L15_10 "Comment" 0402 435.199,245.308 r180 top
L15_11 "Comment" 0402 475.199,245.308 r180 top
L15_12 "Comment" 0402 515.199,245.308 r180 top
L15_13 "Comment" 0402 555.199,245.308 r180 top
L15_14 "Comment" 0402 595.199,245.308 r180 top
L15_15 "Comment" 0402 635.199,245.308 r180 top
L15_16 "Comment" 0402 675.199,245.308 r180 top
L15_17 "Comment" 0402 715.199,245.308 r180 top
L15_18 "Comment" 0402 755.199,245.308 r180 top
L15_19 "Comment" 0402 795.199,245.308 r180 top
L16 "Comment" 0402 35.199,205.308 r180 top
L16_1 "Comment" 0402 75.199,205.308 r180 top
L16_2 "Comment" 0402 115.199,205.308 r180 top
L16_3 "Comment" 0402 155.199,205.308 r180 top
L16_4 "Comment" 0402 195.199,205.308 r180 top
L16_5 "Comment" 0402 235.199,205.308 r180 top
L16_6 "Comment" 0402 275.199,205.308 r180 top
L16_7 "Comment" 0402 315.199,205.308 r180 top
L16_8 "Comment" 0402 355.199,205.308 r180 top
L16_9 "Comment" 0402 395.199,205.308 r180 top
L16_10 "Comment" 0402 435.199,205.308 r180 top
L16_11 "Comment" 0402 475.199,205.308 r180 top
L16_12 "Comment" 0402 515.199,205.308 r180 top
L16_13 "Comment" 0402 555.199,205.308 r180 top
L16_14 "Comment" 0402 595.199,205.308 r180 top
L16_15 "Comment" 0402 635.199,205.308 r180 top
L16_16 "Comment" 0402 675.199,205.308 r180 top
L16_17 "Comment" 0402 715.199,205.308 r180 top
L16_18 "Comment" 0402 755.199,205.308 r180 top
L16_19 "Comment" 0402 795.199,205.308 r180 top
L17 "Comment" 0402 35.199,165.308 r180 top
L17_1 "Comment" 0402 75.199,165.308 r180 top
L17_2 "Comment" 0402 115.199,165.308 r180 top
L17_3 "Comment" 0402 155.199,165.308 r180 top
L17_4 "Comment" 0402 195.199,165.308 r180 top
L17_5 "Comment" 0402 235.199,165.308 r180 top
L17_6 "Comment" 0402 275.199,165.308 r180 top
L17_7 "Comment" 0402 315.199,165.308 r180 top
L17_8 "Comment" 0402 355.199,165.308 r180 top
L17_9 "Comment" 0402 395.199,165.308 r180 top
L17_10 "Comment" 0402 435.199,165.308 r180 top
L17_11 "Comment" 0402 475.199,165.308 r180 top
L17_12 "Comment" 0402 515.199,165.308 r180 top
L17_13 "Comment" 0402 555.199,165.308 r180 top
L17_14 "Comment" 0402 595.199,165.308 r180 top
L17_15 "Comment" 0402 635.199,165.308 r180 top
L17_16 "Comment" 0402 675.199,165.308 r180 top
L17_17 "Comment" 0402 715.199,165.308 r180 top
L17_18 "Comment" 0402 755.199,165.308 r180 top
L17_19 "Comment" 0402 795.199,165.308 r180 top
L18 "Comment" 0402 35.199,125.308 r180 top
L18_1 "Comment" 0402 75.199,125.308 r180 top
L18_2 "Comment" 0402 115.199,125.308 r180 top
L18_3 "Comment" 0402 155.199,125.308 r180 top
L18_4 "Comment" 0402 195.199,125.308 r180 top
L18_5 "Comment" 0402 235.199,125.308 r180 top
L18_6 "Comment" 0402 275.199,125.308 r180 top
L18_7 "Comment" 0402 315.199,125.308 r180 top
L18_8 "Comment" 0402 355.199,125.308 r180 top
L18_9 "Comment" 0402 395.199,125.308 r180 top
L18_10 "Comment" 0402 435.199,125.308 r180 top
L18_11 "Comment" 0402 475.199,125.308 r180 top
L18_12 "Comment" 0402 515.199,125.308 r180 top
L18_13 "Comment" 0402 555.199,125.308 r180 top
L18_14 "Comment" 0402 595.199,125.308 r180 top
L18_15 "Comment" 0402 635.199,125.308 r180 top
L18_16 "Comment" 0402 675.199,125.308 r180 top
L18_17 "Comment" 0402 715.199,125.308 r180 top
L18_18 "Comment" 0402 755.199,125.308 r180 top
L18_19 "Comment" 0402 795.199,125.308 r180 top
L19 "Comment" 0402 35.199,85.308 r180 top
L19_1 "Comment" 0402 75.199,85.308 r180 top
L19_2 "Comment" 0402 115.199,85.308 r180 top
L19_3 "Comment" 0402 155.199,85.308 r180 top
L19_4 "Comment" 0402 195.199,85.308 r180 top
L19_5 "Comment" 0402 235.199,85.308 r180 top
L19_6 "Comment" 0402 275.199,85.308 r180 top
L19_7 "Comment" 0402 315.199,85.308 r180 top
L19_8 "Comment" 0402 355.199,85.308 r180 top
L19_9 "Comment" 0402 395.199,85.308 r180 top
L19_10 "Comment" 0402 435.199,85.308 r180 top
L19_11 "Comment" 0402 475.199,85.308 r180 top
L19_12 "Comment" 0402 515.199,85.308 r180 top
L19_13 "Comment" 0402 555.199,85.308 r180 top
L19_14 "Comment" 0402 595.199,85.308 r180 top
L19_15 "Comment" 0402 635.199,85.308 r180 top
L19_16 "Comment" 0402 675.199,85.308 r180 top
L19_17 "Comment" 0402 715.199,85.308 r180 top
L19_18 "Comment" 0402 755.199,85.308 r180 top
L19_19 "Comment" 0402 795.199,85.308 r180 top
L20 "Comment" 0402 35.199,45.308 r180 top
L20_1 "Comment" 0402 75.199,45.308 r180 top
L20_2 "Comment" 0402 115.199,45.308 r180 top
L20_3 "Comment" 0402 155.199,45.308 r180 top
L20_4 "Comment" 0402 195.199,45.308 r180 top
L20_5 "Comment" 0402 235.199,45.308 r180 top
L20_6 "Comment" 0402 275.199,45.308 r180 top
L20_7 "Comment" 0402 315.199,45.308 r180 top
L20_8 "Comment" 0402 355.199,45.308 r180 top
L20_9 "Comment" 0402 395.199,45.308 r180 top
L20_10 "Comment" 0402 435.199,45.308 r180 top
L20_11 "Comment" 0402 475.199,45.308 r180 top
L20_12 "Comment" 0402 515.199,45.308 r180 top
L20_13 "Comment" 0402 555.199,45.308 r180 top
L20_14 "Comment" 0402 595.199,45.308 r180 top
L20_15 "Comment" 0402 635.199,45.308 r180 top
L20_16 "Comment" 0402 675.199,45.308 r180 top
L20_17 "Comment" 0402 715.199,45.308 r180 top
L20_18 "Comment" 0402 755.199,45.308 r180 top
L20_19 "Comment" 0402 795.199,45.308 r180 top

## Footprints (in the part's own frame and the unit in brackets; to place one, negate y for a bottom-side part, rotate by r counter-clockwise, add the part's x,y. Pads: shape width x height; smd on the part's side, far side on the other; paste and mask are expansions set on the pad)
0402 [mm] "Chip Capacitor, Body 1.0x0.5mm, IPC High Density"
  rect 0.6x0.5 smd: 1(-0.5,0) 2(0.5,0)
  body extent -0.55,-0.3 0.55,0.3, height 1.3
IDC2.54-LI-2x22P [mm] "44P简易牛角座"
  rect 1.6x1.6 hole 0.9: 1(0,0)
  round 1.6 hole 0.9: 2(0,2.54) 3(2.54,0) 4(2.54,2.54) 5(5.08,0) 6(5.08,2.54) 7(7.62,0) 8(7.62,2.54) 9(10.16,0) 10(10.16,2.54) 11(12.7,0) 12(12.7,2.54) 13(15.24,0) 14(15.24,2.54) 15(17.78,0) 16(17.78,2.54) 17(20.32,0) 18(20.32,2.54) 19(22.86,0) 20(22.86,2.54) 21(25.4,0) 22(25.4,2.54) 23(27.94,0) 24(27.94,2.54) 25(30.48,0) 26(30.48,2.54) 27(33.02,0) 28(33.02,2.54) 29(35.56,0) 30(35.56,2.54) 31(38.1,0) 32(38.1,2.54) 33(40.64,0) 34(40.64,2.54) 35(43.18,0) 36(43.18,2.54) 37(45.72,0) 38(45.72,2.54) 39(48.26,0) 40(48.26,2.54) 41(50.8,0) 42(50.8,2.54) 43(53.34,0) 44(53.34,2.54)
  silkscreen extent -5.11,-3.23 58.42,5.77, body extent -5.08,-3.08 58.42,5.77, height 9.17
SC-79_L1.2-W0.8-LS1.6-RD [mm]
  rect 0.63x0.36 smd: 1(-0.785,0) 2(0.785,0)
  silkscreen extent -0.9,-0.55 0.68,0.55

## Via types
v1: diameter 0.5, hole 0.3, Top Layer to Bottom Layer, tented both sides, 600 vias